# KiCad board st251_20934.kicad_pcb (continued)
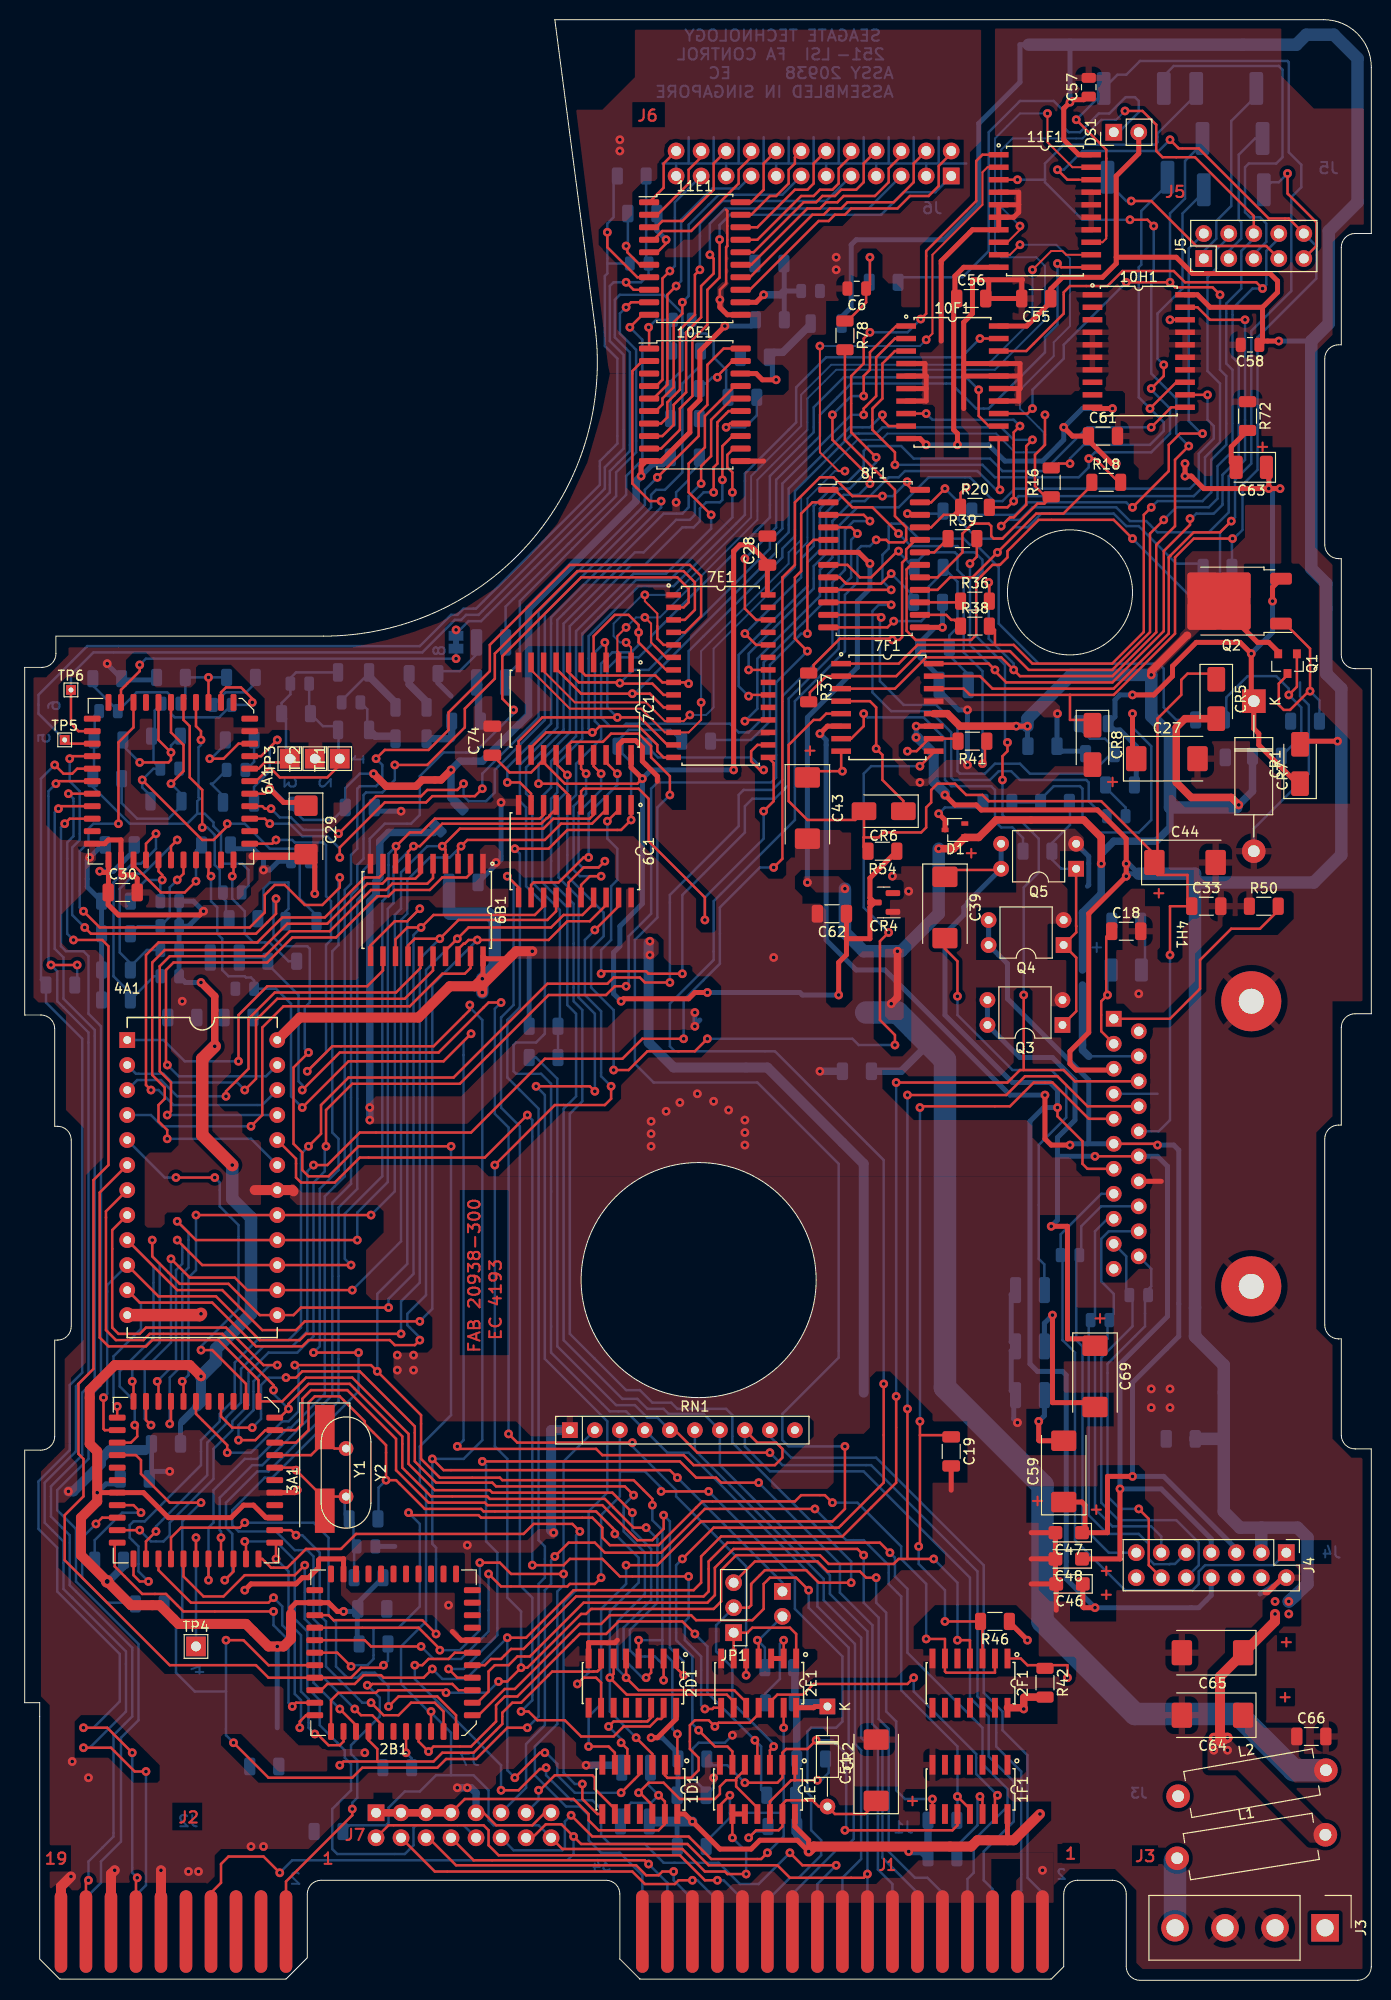
[diagram p0: board, top side]
## Routing (per net, layer and track width the routed paths; a pad name or vN(x,y) marks a point on that pad's centre or on a via; arc(x,y) is an arc through that point) (continued)
/Analog/COILC: length 128.5
  Top w0.254: 94.62,112.78 93.92,112.08 C39.1 94.17,112.78 99.05,112.78 Q5.4 ; v1(104.9,88.65) 104.9,87.76 107.44,85.22 107.44,82.93 107.95,82.42 4H1.13
  Top w0.508: C46.1 107.47,37.94 107.57,37.85 v1(108.71,37.85)
  Bottom w0.508: J4.8 120.52,39.12 119.25,37.85 v1(108.71,37.85) 105.79,40.77 105.79,61.47 105.41,61.85 102.87,61.85 102.11,62.61 102.11,87.25 103.5,88.65 v1(104.9,88.65) 104.9,90.42 104.14,91.19 100.33,91.19 93.47,98.04 93.47,106.3 95.38,108.2 95.38,108.97 95.76,109.35 95.76,109.48 Q5.4 Q5.3
/Analog/DRV_SEL: length 62.1
  Top w0.254: v1(71.63,18.8) 70.61,17.78 1E1.8 ; 2E1.13 v1(77.09,25.65) ; v1(75.44,12.95) 74.8,12.32 69.72,12.32 67.44,14.61 57.66,14.61 v1(55.5,16.76)
  Bottom w0.254: R13.1 69.22,14.1 71.63,16.51 71.63,17.02 ; 71.63,17.02 v1(71.63,18.8) ; 71.63,17.02 77.09,17.02 ; v1(75.44,12.95) 77.09,14.61 77.09,17.02 ; v1(77.09,25.65) 77.09,17.02 ; v1(55.5,16.76) 54.86,16.13 54.86,13.46 54.61,13.21 49.66,13.21 J7.12
/Analog/DS1: length 45
  Top w0.254: v1(70.36,10.16) 69.09,10.16 66.55,12.7 48.13,12.7 47.12,13.72 47.12,15.24 46.61,15.75 36.96,15.75 J7.2
  Bottom w0.254: J1.26 72.9,8.26 70.99,10.16 v1(70.36,10.16)
/Analog/DS2: length 38.3
  Top w0.254: v1(67.82,10.16) 66.42,10.16 66.04,9.78 62.99,9.78 61.72,11.05 41.66,11.05 J7.4
  Bottom w0.254: v1(67.82,10.16) 68.33,10.16 70.36,8.13 J1.28
/Analog/DS3: length 33.8
  Top w0.254: J7.6 41.02,14.48 43.82,11.68 62.1,11.68 63.12,10.67 64.39,10.67 64.77,11.05 v1(65.91,11.05)
  Bottom w0.254: v1(65.91,11.05) 65.91,10.16 67.82,8.26 J1.30
/Analog/DS4: length 28.8
  Top w0.254: v1(63.37,11.81) 62.99,12.19 45.59,12.19 J7.8
  Bottom w0.254: v1(63.37,11.81) 65.28,9.91 J1.32
/Analog/HDC1: length 52
  Top w0.254: 10E1.9 64.64,155.58 66.55,157.48 66.55,159.64 67.82,160.91 67.82,166.62 69.34,168.15 69.34,171.7 70.58,172.94 v1(70.58,176.8)
  Bottom w0.254: J6.1 94.11,183.22 92.5,181.61 89.28,181.61 87,179.32 71.63,179.32 70.58,178.28 v1(70.58,176.8)
/Analog/HDC2: length 46.7
  Top w0.254: v1(69.6,175.26) 69.98,174.88 69.98,173.36 68.71,172.09 68.71,168.91 67.18,167.39 67.18,161.29 65.91,160.02 65.91,157.99 64.77,156.85 10E1.8
  Bottom w0.254: v1(69.6,175.26) 69.6,178.44 71.12,179.96 85.72,179.96 J6.5
/Analog/HDC3: length 40.5
  Top w0.254: 10E1.7 64.64,158.12 65.28,158.75 65.28,160.27 66.55,161.54 66.55,167.64 68.07,169.16 68.07,173.23 v1(68.58,173.74)
  Bottom w0.254: J6.9 81.41,180.72 70.87,180.72 68.58,178.44 v1(68.58,173.74)
/Analog/HDC4: length 34.5
  Top w0.254: v1(66.8,170.43) 66.8,169.29 65.91,168.4 65.91,161.8 64.78,160.66 64.78,160.06 64.1,159.39 10E1.6
  Bottom w0.254: J6.13 76.96,181.36 70.48,181.36 67.44,178.31 67.44,171.07 v1(66.8,170.43)
/Analog/HDC5: length 28.7
  Top w0.254: 10E1.5 63.86,160.66 65.28,162.08 65.28,171.2 v1(66.17,172.09)
  Bottom w0.254: v1(66.17,172.09) 66.68,172.59 66.68,178.82 69.85,181.99 72.52,181.99 J6.17
/Analog/HDC6: length 23.9
  Top w0.254: v1(65.53,173.61) 64.78,172.85 64.78,162.57 64.13,161.93 10E1.4
  Bottom w0.254: J6.21 66.04,180.59 66.04,174.12 v1(65.53,173.61)
/Analog/HDSEL1: length 189.2
  Top w0.254: v1(69.72,148.84) 67.44,151.13 67.44,154.05 69.09,155.7 69.09,158.88 72.14,161.93 10E1.17
  Bottom w0.254: J1.14 88.14,9.78 86.66,11.25 86.66,24.33 85.6,25.4 85.6,35.43 81.79,39.24 81.79,41.15 70.61,52.32 70.61,55.88 68.96,57.53 65.41,57.53 64.9,58.04 63.25,58.04 62.23,59.06 60.71,59.06 54.74,65.02 54.74,88.52 56.01,89.79 56.01,98.17 55.12,99.06 55.12,108.97 52.58,111.51 52.58,120.27 53.47,121.16 53.47,123.83 56.01,126.37 56.01,137.03 61.85,142.88 65.15,142.88 69.72,147.45 v1(69.72,148.84)
/Analog/HDSEL2: length 189.3
  Top w0.254: v1(68.71,152.02) 68.71,153.8 69.72,154.81 69.72,158.5 71.88,160.66 10E1.16
  Bottom w0.254: v1(68.71,152.02) 67.44,150.75 67.44,149.61 66.8,148.97 64.9,148.97 54.1,138.18 54.1,127.25 50.29,123.44 50.29,119.76 50.93,119.13 50.93,111.12 52.83,109.22 52.83,96.14 51.94,95.25 49.91,95.25 49.66,95 49.66,92.33 49.91,92.08 52.45,92.08 53.47,91.06 53.47,63.75 59.44,57.79 61.09,57.79 RN1.4 65.28,53.59 67.44,53.59 80.52,40.51 80.52,37.97 84.33,34.16 84.33,24 84.96,23.37 84.96,12.32 83.06,10.41 J1.18
/Analog/HDSEL4: length 121.6
  Top w0.254: 65.53,55.88 66.04,55.88 68.33,53.59 v1(75.69,53.59)
  Bottom w0.254: 65.53,55.88 64.26,57.15 63.25,57.15 61.98,58.42 60.07,58.42 54.1,64.39 54.1,91.57 51.94,93.73 JP10.2 ; J1.4 100.84,8.76 101.22,9.14 101.22,21.21 98.68,23.75 98.68,26.92 96.77,28.83 96.77,41.53 85.98,52.32 76.96,52.32 v1(75.69,53.59)
/Analog/HDSEL4B: length 78.8
  Top w0.254: 10E1.15 71.5,159.39 70.36,158.24 70.36,154.05 69.98,153.67 v1(69.98,151.13)
  Bottom w0.254: JP10.1 JP11.2 54.36,97.09 54.36,108.71 51.56,111.51 51.56,119.89 50.93,120.52 50.93,123.19 54.74,127 54.74,137.8 61.98,145.03 62.87,145.03 66.17,148.34 67.56,148.34 68.07,148.84 68.07,150.24 68.96,151.13 v1(69.98,151.13)
/Analog/HDSEL8: length 67.5
  Bottom w0.254: 75.69,55.88 75.69,55.25 77.85,53.09 86.49,53.09 97.41,42.16 97.41,29.21 99.31,27.31 99.31,25.4 101.85,22.86 101.85,10.41 103.38,8.89 J1.2
/Analog/INDEX2: length 86.4
  Top w0.254: v1(93.47,36.45) R46.2 97.28,36.26 2F1.3 ; v1(90.81,44.07) 90.93,44.07 90.93,55.37 ; C19.1 93.93,55.37 90.93,55.37 ; 90.93,55.37 v1(90.93,56.77) ; v1(90.93,88.65) 91.06,88.77 100.08,88.77 102.49,91.19 104.39,91.19 108.08,87.5 4H1.9
  Bottom w0.254: v1(93.47,36.45) 93.47,39.62 90.81,42.29 v1(90.81,44.07) ; v1(90.93,88.65) v1(90.93,56.77)
/Analog/M_ENA: length 66.4
  Top w0.254: 7E1.26 74.29,138.18 73.15,139.32 v1(73.15,144.4) ; v1(104.9,174.37) 105.28,173.99 108.33,173.99
  Bottom w0.254: v1(104.9,174.37) 104.9,168.15 103.63,166.88 103.63,165.35 97.92,159.64 96.65,159.64 94.11,162.18 83.95,162.18 80.77,159 80.77,156.85 76.33,152.4 76.33,147.57 v1(73.15,144.4)
/Analog/M_ENB: length 63.6
  Top w0.254: v1(114.43,157.73) 116.46,159.77 10H1.11 ; 7E1.24 74.29,135.64 v1(73.15,136.78)
  Bottom w0.254: v1(114.43,157.73) 107.95,157.73 103.5,153.29 99.31,153.29 98.04,154.56 90.3,154.56 89.03,155.83 85.72,155.83 85.22,155.32 85.22,153.8 83.57,152.15 82.55,152.15 80.14,149.73 80.14,145.67 78.87,144.4 78.87,142.49 v1(73.15,136.78)
/Analog/M_ENC: length 48.9
  Top w0.254: v1(82.04,159) 82.04,156.46 85.85,152.65 v1(85.85,152.02) ; 10F1.1 88.52,168.02 85.85,165.35 85.85,163.58 85.22,162.94 v1(85.22,160.91) ; v1(73.53,133.1) 7E1.22
  Bottom w0.254: v1(85.85,152.02) 84.71,150.88 83.19,150.88 81.41,149.1 81.41,144.91 80.14,143.64 80.14,141.35 73.53,134.75 v1(73.53,133.1) ; v1(85.22,160.91) 83.95,160.91 v1(82.04,159)
/Analog/M_END: length 74.3
  Top w0.254: v1(86.49,154.69) 83.95,157.23 83.95,162.94 85.22,164.21 85.22,166.75 v1(85.85,167.39) ; v1(73.53,130.43) 73.66,130.56 7E1.20 ; 11F1.1 97.28,185.42 96.65,184.79 96.65,180.72 91.57,175.64 91.57,169.28 v1(91.01,168.73)
  Bottom w0.254: v1(86.49,154.69) 86.49,154.18 83.82,151.51 82.8,151.51 80.77,149.48 80.77,145.29 79.5,144.02 79.5,141.61 72.52,134.62 72.52,131.44 v1(73.53,130.43) ; v1(91.01,168.73) 89.67,167.39 v1(85.85,167.39)
/Analog/M_ENE: length 51.6
  Top w0.254: v1(99.06,151.38) 98.93,151.51 10F1.11 ; v1(73.15,127.89) 73.28,128.02 7E1.18
  Bottom w0.254: v1(73.15,127.89) 74.42,129.16 74.42,134.24 80.77,140.59 80.77,143.26 82.04,144.53 82.04,148.21 84.07,150.24 85.34,150.24 87.76,152.65 88.77,152.65 89.41,153.29 96.77,153.29 98.68,151.38 v1(99.06,151.38)
/Analog/MOTA+: length 140.8
  Top w0.2: 11F1.13 109.47,176.53 109.85,176.91 109.85,177.17
  Top w0.254: 7F1.15 97.03,132.46 98.3,131.19 110.61,131.19 116.2,136.79 116.2,144.53 116.38,144.7 116.38,144.72 118.73,147.07 121.41,147.07 v1(122.55,148.21) ; 109.85,177.17 109.85,185.93 v1(106.81,188.98)
  Bottom w0.254: v1(106.81,188.98) 109.6,191.77 R67.1 111,193.55 111.89,193.55 113.28,194.95 128.27,194.95 128.4,194.82 128.4,185.67 129.67,184.4 129.67,182.12 128.65,181.1 128.65,171.58 124.59,167.51 124.59,154.05 122.94,152.4 122.94,148.59 v1(122.55,148.21) 121.41,147.07 121.41,141.99 122.55,140.84 R14.2
/Analog/MOTA-: length 119.1
  Top w0.2: 107.06,182.88 11F1.18
  Top w0.254: 106.17,130.56 106.17,128.02 107.82,128.02 108.39,127.44 108.58,127.44 ; 106.17,130.56 110.62,130.56 116.84,136.78 116.84,144.53 118.75,146.43 v1(122.68,146.43) ; 106.17,130.56 96.01,130.56 95.38,131.19 7F1.14 ; v1(104.9,183.9) 105.92,182.88 107.06,182.88 ; v1(116.33,186.94) 117.22,186.06 119.25,186.06 126.36,178.94 128.4,178.94 J5.10
  Bottom w0.254: v1(104.9,183.9) 105.54,183.9 107.44,185.8 115.19,185.8 v1(116.33,186.94) ; R15.2 122.62,146.37 v1(122.68,146.43) 122.81,146.43 123.7,147.32 123.7,151.89 125.22,153.42 125.22,166.88 131.19,172.85 131.19,176.15 J5.10
/Analog/MOTB+: length 46
  Top w0.254: 10H1.13 116.97,162.31 v1(114.3,159.64) ; v1(106.17,154.05) 105.03,154.05 104.59,153.61 R16.2
  Bottom w0.254: R81.1 116.08,182.37 113.41,179.71 113.41,174.24 113.16,173.99 113.16,160.78 v1(114.3,159.64) 115.7,158.24 115.7,157.35 114.3,155.96 107.57,155.96 106.17,154.56 v1(106.17,154.05)
/Analog/MOTB-: length 54
  Top w0.254: v1(119.63,157.1) 117.35,157.1 116.2,155.96 116.2,153.29 v1(112.52,149.61) ; 10H1.18 v1(116.33,168.66)
  Bottom w0.254: v1(116.33,168.66) 118.24,168.66 ; 118.24,168.66 118.24,175.9 J5.2 ; 118.24,168.66 118.24,158.37 119.51,157.1 v1(119.63,157.1) ; v1(112.52,149.61) 112.39,149.61 111.89,150.11 101.85,150.11 100.58,148.84 96.59,148.84 R17.2
/Analog/MOTC+: length 77.9
  Top w0.254: v1(115.7,164.08) 115.7,162.94 v1(114.43,161.67) ; 10F1.3 88.39,165.48 87.12,164.21 87.12,160.66 86.11,159.64 86.11,157.48 88.39,155.19 v1(88.39,153.92) ; v1(108.08,154.56) 108.71,154.56 111.12,152.15 R18.2
  Bottom w0.254: v1(114.43,161.67) 114.43,161.54 116.33,159.64 116.33,157.1 114.43,155.19 108.71,155.19 v1(108.08,154.56) 108.08,153.67 107.06,152.65 98.55,152.65 97.28,153.92 v1(88.39,153.92) ; v1(115.7,164.08) 115.06,164.72 115.06,169.29 117.6,171.83 117.6,179.45 119.76,181.61 R67B1.1
/Analog/MOTC-: length 70.4
  Top w0.254: R20.2 99.82,149.61 v1(100.46,150.24) 100.46,157.23 v1(101.09,157.86) ; 10F1.8 v1(91.57,159.13)
  Bottom w0.254: v1(101.09,157.86) 100.46,158.5 92.2,158.5 v1(91.57,159.13) ; v1(100.46,150.24) 100.97,150.75 118.75,150.75 119.89,151.89 119.89,154.69 121.41,156.21 121.41,162.18 120.14,163.45 120.14,172.97 121.03,173.86 121.03,175.77 122.3,177.04 J5.4
/Analog/MOTD+: length 130.3
  Top w0.254: v1(118.24,155.83) 116.84,154.43 116.84,147.7 114.94,145.8 114.94,136.92 110.48,132.46 101.09,132.46 v1(100.46,133.1) 99.19,134.37 91.57,134.37 88.39,131.19 7F1.3 ; v1(97.92,141.99) 97.98,141.92 R36.2 ; v1(112.27,178.82) 114.05,178.82 v1(114.68,178.18) ; v1(100.84,182.88) 99.69,182.88
  Bottom w0.254: v1(118.24,155.83) 116.97,157.1 116.97,160.66 114.43,163.19 114.43,173.48 114.68,173.74 v1(114.68,178.18) ; R68.1 119,191.51 115.06,187.58 115.06,186.69 114.81,186.44 105.54,186.44 103.63,184.53 103.63,182.88 ; v1(100.46,133.1) 100.46,133.73 97.92,136.27 v1(97.92,141.99) ; 103.63,182.88 v1(100.84,182.88) ; 103.63,182.88 103.63,182.63 107.44,178.82 v1(112.27,178.82)
/Analog/MOTD-: length 133.6
  Top w0.2: 11F1.8 99.82,176.53 101.09,177.8 v1(101.09,178.18)
  Top w0.254: v1(111.76,189.87) 113.54,189.87 114.94,188.47 114.94,185.8 115.57,185.17 118.87,185.17 124.84,179.2 J5.6 ; v1(115.7,148.34) 114.3,146.94 114.3,136.93 110.47,133.1 101.98,133.1 100.08,135 91.06,135 88.52,132.46 81.41,132.46 79.76,130.81 79.76,129.98 R37.2
  Bottom w0.2: v1(101.09,178.18) 99.19,180.09 99.19,185.93 100.33,187.07 107.44,187.07 109.35,188.98 110.87,188.98 v1(111.76,189.87)
  Bottom w0.254: J5.6 124.84,176.91 123.57,175.64 123.57,171.83 122.05,170.31 122.05,164.21 122.68,163.58 122.68,155.32 121.16,153.8 121.16,150.5 120.27,149.61 116.97,149.61 v1(115.7,148.34)
/Analog/MOTE+: length 123
  Top w0.254: 98.55,135.64 90.68,135.64 88.77,133.73 7F1.1 ; 98.55,135.64 98.55,137.16 98.17,137.54 R38.2 ; 98.55,135.64 100.46,135.64 102.36,133.73 110.46,133.73 113.66,136.94 113.66,148.84 v1(114.43,149.61) ; v1(102.36,159.64) 101.85,159.13 10F1.13 ; v1(111.89,172.47) v1(116.33,172.47) 116.84,171.96 120.65,171.96 v1(121.41,171.2)
  Bottom w0.254: v1(121.41,171.2) 121.41,163.58 122.05,162.94 122.05,155.96 120.52,154.43 120.52,151.13 119.63,150.24 115.06,150.24 v1(114.43,149.61) ; v1(102.36,159.64) 102.36,161.54 105.54,164.72 105.54,166.12 v1(111.89,172.47) ; 119.63,187.07 119.63,186.56 117.86,184.79 117.86,180.98 116.33,179.45 v1(116.33,172.47)
/Analog/MOTE-: length 120.9
  Top w0.254: R39.2 96.71,144.59 v1(96.01,143.89) ; 10F1.18 101.73,165.48 105.54,169.29 105.54,171.45 106.17,172.09 109.98,172.09 111.51,173.61 116.71,173.61 117.86,172.47 125.09,172.47 v1(125.73,171.83) ; 7F1.16 97.92,133.73 v1(98.55,133.1) 98.55,132.97 99.69,131.83 110.49,131.83 115.7,137.03 115.7,145.16 118.36,147.83 v1(118.36,148.46)
  Bottom w0.254: v1(118.36,148.46) 118.36,148.34 119,148.97 120.78,148.97 121.67,149.86 121.67,152.91 123.32,154.56 123.32,164.21 122.68,164.85 122.68,169.8 124.71,171.83 v1(125.73,171.83) 126.11,172.21 126.11,175.64 127.38,176.91 J5.8 ; v1(96.01,143.89) 96.01,135.64 v1(98.55,133.1)
/Analog/PHASEA+: length 44.9
  Bottom w0.254: 4H1.17 109.98,77.34 108.71,76.07 108.71,67.44 108.08,66.8 108.08,47.24 109.98,45.34 113.16,45.34 114.17,44.32 114.17,42.8 114.71,42.26 116.3,42.26 116.33,42.29 116.84,42.29 J4.9
/Analog/PHASEA-: length 42.4
  Bottom w0.254: 113.16,76.07 110.11,76.07 109.35,75.31 109.35,70.99 110.62,69.72 110.62,67.69 109.98,67.06 109.98,65.15 108.71,63.88 108.71,47.88 110.49,46.1 114.43,46.1 115.44,45.09 J4.11
/Analog/PHASEB+: length 44
  Bottom w0.254: 113.16,78.61 109.35,78.61 107.31,76.58 107.31,73.85 107.25,73.79 ; C36.1 106.81,73.34 106.81,65.02 107.44,64.39 107.44,46.1 110.11,43.43 J4.13
/Analog/PHASEB-: length 64.6
  Bottom w0.254: J4.1 126.87,42.16 119.9,42.16 119.25,41.52 119.25,40.26 118.62,39.62 111.76,39.62 106.68,44.7 106.68,63.75 105.41,65.02 105.41,73.47 105.22,73.66 105.22,75.76 109.35,79.88 4H1.15
/Analog/PHASEC+: length 44.1
  Bottom w0.254: J4.10 119.25,42.16 119.25,44.45 116.97,46.74 111.12,46.74 109.35,48.51 109.35,63.25 112.52,66.42 112.52,69.28 C37.1 111.89,69.92 111.89,73.53 4H1.19
/Analog/PHASEC-: length 38.4
  Top w0.254: v1(113.16,47.88) 114.17,46.86 114.17,42.16 J4.12
  Bottom w0.254: 4H1.20 114.43,72.26 114.43,70.49 114.11,70.17 C37.2 113.79,69.28 113.79,66.42 109.98,62.61 109.98,49.15 111.25,47.88 v1(113.16,47.88)
/Analog/REC_MODE: length 142.5
  Top w0.254: v1(25.91,10.92) 24.26,12.57 20.7,12.57 19.94,11.81 19.94,9.91 18.92,8.89 J2.7 ; J7.14 51.56,14.48 52.93,15.84 54.52,15.84 v1(55.75,14.61) 56.51,13.84 67.31,13.84 69.47,11.68 76.45,11.68 77.72,10.41 85.22,10.41 v1(85.6,10.8)
  Bottom w0.254: J1.16 v1(85.6,10.8) 85.6,24 84.96,24.64 84.96,34.8 81.15,38.61 81.15,40.77 68.07,53.85 RN1.6 ; v1(55.75,14.61) 55.75,12.83 55.12,12.19 27.18,12.19 v1(25.91,10.92)
/Analog/WRT_FAULT: length 11.9
  Top w0.254: 2E1.6 JP1.1 73.41,35.31 73.91,35.81 77.72,35.81 78.36,35.18 2E1.1
/Analog/~{WRT_GATE}: length 203.5
  Top w0.254: v1(18.92,112.14) 18.67,112.4 6A1.37 ; RN1.8 74.42,54.61 76.33,54.61 76.96,53.98 76.96,53.09 76.2,52.32 67.94,52.32 66.93,53.34 58.67,53.34 58.04,53.98 44.2,53.98 v1(43.94,54.23) ; v1(45.34,96.14) 42.54,93.34 32.89,93.34 v1(28.19,88.65)
  Bottom w0.254: v1(43.94,54.23) 44.58,54.86 44.58,95.38 v1(45.34,96.14) ; v1(18.92,112.14) 18.92,109.6 19.56,108.97 19.56,106.3 20.07,105.79 20.07,102.62 20.7,101.98 22.35,101.98 22.48,101.85 22.99,101.85 23.3,101.54 C4.1 25.53,100.71 27.05,99.19 27.05,89.79 v1(28.19,88.65) ; J1.6 98.3,9.27 97.41,10.16 97.41,13.08 100.46,16.13 100.46,20.19 97.92,22.73 97.92,26.8 96.01,28.7 96.01,40.89 85.22,51.69 75.69,51.69 73.15,54.23 RN1.8
/Digital/0101: length 162
  Top w0.254: v1(83.31,54.23) 83.31,47.88 82.04,46.61 68.71,46.61 64.26,42.16 v1(61.09,42.16) ; 1D1.6 59.94,23.11 59.31,23.75 v1(57.28,23.75) ; v1(65.53,120.4) 65.53,122.3 63.63,124.21 63.63,125.35 62.36,126.62 59.56,126.62 58.73,125.79 55.56,125.79 55.24,125.48 55.24,124.46
  Bottom w0.254: v1(65.53,120.4) 64.26,119.13 64.26,107.95 61.98,105.66 61.98,93.09 63.88,91.19 74.42,91.19 82.68,82.93 82.68,63.25 76.96,57.53 76.96,54.86 77.6,54.23 v1(83.31,54.23) ; v1(61.09,42.16) 61.09,40.26 58.55,37.72 58.55,28.07 57.28,26.8 v1(57.28,23.75)
/Digital/A0: length 116.6
  Top w0.254: 4A1.8 8.89,76.2 8.89,66.29 9.52,65.66 11.68,65.66 12.32,66.29 20.45,66.29 24.26,62.48 v1(25.65,62.48) ; v1(64.9,47.24) 64.9,45.85 63.75,44.7 62.23,44.7 58.67,48.26 46.99,48.26 46.74,48.51 41.02,48.51 37.72,51.82 37.72,54.99 32.77,59.94 29.08,59.94 28.19,59.06 28.19,56.52 27.56,55.88 27.05,55.88 27.05,55.88 24.45,55.88 23.43,54.86 v1(21.72,54.86) ; v1(66.93,30.99) 66.17,31.75 2D1.1
  Bottom w0.254: v1(21.72,54.86) 21.72,56.39 23.24,57.91 23.24,60.83 24.89,62.48 v1(25.65,62.48) ; v1(64.9,47.24) 65.53,46.61 65.53,33.78 66.93,32.39 v1(66.93,30.99)
/Digital/A1: length 107.2
  Top w0.254: v1(64.9,30.48) 2D1.2 ; 4A1.7 8.25,78.11 8.25,66.04 9.27,65.02 12.06,65.02 12.7,65.66 20.07,65.66 25.27,60.45 v1(25.27,59.94) ; v1(63.12,45.97) 61.85,45.97 58.93,48.9 47.24,48.9 46.99,49.15 41.27,49.15 38.35,52.07 38.35,55.25 33.02,60.58 28.83,60.58 26.8,58.55 v1(26.8,58.04) 25.91,57.15 3A1.6
  Bottom w0.254: v1(64.9,30.48) 64.9,32 64.01,32.89 62.1,32.89 61.47,33.53 61.47,35.56 64.26,38.35 64.26,44.83 v1(63.12,45.97) ; v1(26.8,58.04) 25.27,59.56 v1(25.27,59.94)
/Digital/A2: length 107.8
  Top w0.254: 4A1.6 7.62,80.01 7.62,65.28 8.51,64.39 12.32,64.39 12.95,65.02 19.69,65.02 23.75,60.96 3A1.7 26.16,58.8 28.57,61.21 33.27,61.21 38.99,55.5 38.99,52.45 41.66,49.78 47.24,49.78 47.5,49.53 59.69,49.53 v1(61.72,47.5) ; 2D1.3 63.63,31.24 v1(63.12,30.73)
  Bottom w0.254: v1(61.72,47.5) 61.72,45.72 63.63,43.82 63.63,38.61 60.83,35.81 60.83,32.64 62.74,30.73 v1(63.12,30.73)
/Digital/A3: length 38.3
  Top w0.254: 3A1.8 22.48,60.58 19.05,64.01 v1(17.91,64.01) ; v1(15.37,81.53) v1(19.3,81.53)
  Bottom w0.254: v1(15.37,81.53) 14.22,81.53 4A1.5 ; v1(17.91,64.01) 17.91,64.39 21.72,68.2 21.72,76.71 19.81,78.61 19.81,81.03 v1(19.3,81.53)
/Digital/A4: length 48.4
  Top w0.254: 6B1.19 45.28,102.81 44.7,102.24 42.42,102.24 39.12,98.93 26.29,98.93 24.13,96.77 24.13,87.88 v1(22.99,86.74)
  Bottom w0.254: 4A1.4 12.83,87.88 13.97,86.74 v1(22.99,86.74)
/Digital/A5: length 40.8
  Top w0.254: 6B1.15 40.2,102.81 37.72,100.33 25.4,100.33 22.73,97.66 22.73,92.58 20.45,90.3 v1(20.45,89.79)
  Bottom w0.254: 4A1.3 11.43,91.44 13.84,91.44 15.49,89.79 v1(20.45,89.79)
/Digital/A6: length 42.1
  Top w0.254: v1(22.35,90.42) 23.49,91.57 23.49,97.54 25.65,99.7 38.61,99.7 41.47,102.56 6B1.16
  Bottom w0.254: v1(22.35,90.42) 21.59,91.19 14.99,91.19 14.1,92.08 11.3,92.08 4A1.2
/Digital/A7: length 34.9
  Top w0.254: v1(21.72,93.34) 21.72,98.04 24.64,100.97 34.8,100.97 36.39,102.56 6B1.12
  Bottom w0.254: v1(21.72,93.34) 16.26,93.34 14.1,95.5 4A1.1
/Digital/A8: length 57.8
  Top w0.254: v1(14.49,92.96) 14.35,93.1 14.35,102.62 15.11,103.38 24.64,103.38 27.18,105.92 31.62,105.92 35.81,110.11 36.96,110.11 37.59,110.74 41.15,110.74 42.42,112.01 44.89,112.01 45.28,112.41 6B1.2
  Bottom w0.254: v1(14.49,92.96) 15.63,91.82 24.51,91.82 25.65,92.96
/Digital/A9: length 56.5
  Top w0.254: 36.39,113.41 36.39,112.41 36,112.01 34.54,112.01 30.48,107.95 26.16,107.95 23.62,105.41 13.59,105.41 12.32,104.14 12.32,90.93 v1(12.83,90.42)
  Bottom w0.254: v1(12.83,90.42) 13.59,90.42 15.11,88.9 24.13,88.9 25.65,90.42
/Digital/A10: length 63.3
  Top w0.254: v1(14.48,85.47) 14.48,86.36 13.59,87.25 13.59,88.9 14.22,89.54 14.22,90.68 12.95,91.95 12.95,103.38 14.22,104.65 24,104.65 26.67,107.32 30.73,107.32 34.8,111.38 36.32,111.38 36.83,111.89 39.68,111.89 40.2,112.41 6B1.6
  Bottom w0.254: 25.65,82.8 22.99,85.47 v1(14.48,85.47)
/Digital/A11: length 59.8
  Top w0.254: 6B1.5 41.47,111.96 40.89,111.38 37.34,111.38 36.7,110.74 35.18,110.74 30.99,106.55 26.92,106.55 24.38,104.01 14.73,104.01 13.72,103 13.72,92.33 14.86,91.19 14.86,88.27 v1(14.48,87.88)
  Bottom w0.254: 25.65,87.88 v1(14.48,87.88)
/Digital/D0: length 118.9
  Top w0.254: 6C1.18 59.05,109.22 57.4,107.57 55.12,107.57 53.21,105.66 v1(45.97,105.66) 45.09,105.66 44.7,105.28 44.58,105.28 44.01,104.72 6B1.18 ; 4A1.9 15.49,70.1 20.07,70.1 24.13,66.04 27.56,66.04 28.45,66.93 v1(40.13,66.93) ; v1(11.18,56.39) 11.43,56.13 11.43,55.25 10.8,54.61 3A1.20
  Bottom w0.254: 4A1.9 13.08,72.52 13.08,65.28 9.65,61.85 9.65,60.33 11.18,58.8 v1(11.18,56.39) ; v1(40.13,66.93) 41.4,68.2 41.4,101.09 v1(45.97,105.66)
/Digital/D1: length 111.1
  Top w0.254: 9.4,55.88 8.13,55.88 8,56.01 v1(8,59.18) ; v1(38.23,65.66) 28.57,65.66 27.94,65.02 23.88,65.02 19.43,69.47 13.59,69.47 4A1.10 ; 6B1.14 38.93,105.1 39.62,105.79 v1(42.16,105.79) 44.07,107.7 53.09,107.7 53.98,108.59 6C1.14
  Bottom w0.254: v1(38.23,65.66) 38.23,68.96 40.13,70.87 40.13,103.76 v1(42.16,105.79) ; 4A1.10 8.38,70.61 8.38,59.56 v1(8,59.18)
/Digital/D2: length 109.2
  Top w0.254: v1(40.13,65.02) 39.62,64.52 37.59,64.52 37.08,65.02 28.83,65.02 28.19,64.39 23.49,64.39 19.05,68.83 11.68,68.83 4A1.11 ; 3A1.18 9.4,57.15 v1(9.4,58.29) ; 6C1.17 57.79,109.35 56.64,108.2 54.74,108.2 53.47,106.93 45.09,106.93 v1(43.94,105.79) 42.74,104.59 6B1.17
  Bottom w0.254: v1(43.94,105.79) 40.77,102.62 40.77,69.6 38.86,67.69 38.86,66.55 40.13,65.28 v1(40.13,65.02) ; v1(9.4,58.29) 9.02,58.67 9.02,63.37 11.81,66.17 11.81,68.71 4A1.11
/Digital/D3: length 105.4
  Top w0.254: 6B1.13 37.66,105.74 38.86,106.93 v1(40.26,106.93) 41.53,108.2 51.82,108.2 52.71,109.09 6C1.13 ; v1(36.96,68.33) 28.07,68.33 27.3,67.56 23.88,67.56 20.7,70.74 15.75,70.74 12.95,73.53 v1(12.95,75.18) ; v1(10.92,60.83) 11.05,60.71 3A1.17
  Bottom w0.254: v1(40.26,106.93) 39.5,106.17 39.5,71.76 36.96,69.22 v1(36.96,68.33) ; v1(12.95,75.18) 12.95,73.53 13.72,72.77 13.72,64.77 10.92,61.98 v1(10.92,60.83)
/Digital/D4: length 110.1
  Top w0.254: 6C1.3 59.05,118.91 57.62,117.48 54.48,117.48 52.83,115.82 44.96,115.82 v1(44.32,115.19) 44.01,114.88 6B1.3 ; v1(33.27,70.1) 22.61,70.1 21.34,71.37 16.76,71.37 v1(14.86,73.28) ; 3A1.16 12.32,56.9 v1(12.83,56.39)
  Bottom w0.254: v1(14.86,73.28) 14.86,64.77 12.19,62.1 12.19,57.02 v1(12.83,56.39) ; v1(33.27,70.1) 38.23,75.06 38.23,107.7 38.86,108.33 38.86,111.76 41.15,114.05 43.18,114.05 v1(44.32,115.19)
/Digital/D5: length 100.5
  Top w0.254: 3A1.15 13.59,60.71 v1(13.46,60.83) ; v1(33.15,72.64) 18.03,72.64 v1(15.49,75.18) ; 6B1.8 37.66,115.13 v1(37.72,115.19) 39.12,116.59 40.26,116.59 41.66,117.98 52.32,117.98 52.71,118.36 6C1.8